# Altium PCB mantarray_beta2_sensor_arrayed.PcbDoc (part 4 of 4)
Units mil, origin at the board's own origin, x right, y up, seen from the top; angles counter-clockwise.
Board outline 13674.34 x 20798.35 mil, 2 copper layers (Layer1_Top, Layer8_BOT); 47 components, 273 nets, 1821 pads, 734 vias.
Unrouted connection lines stored in the file: 1.
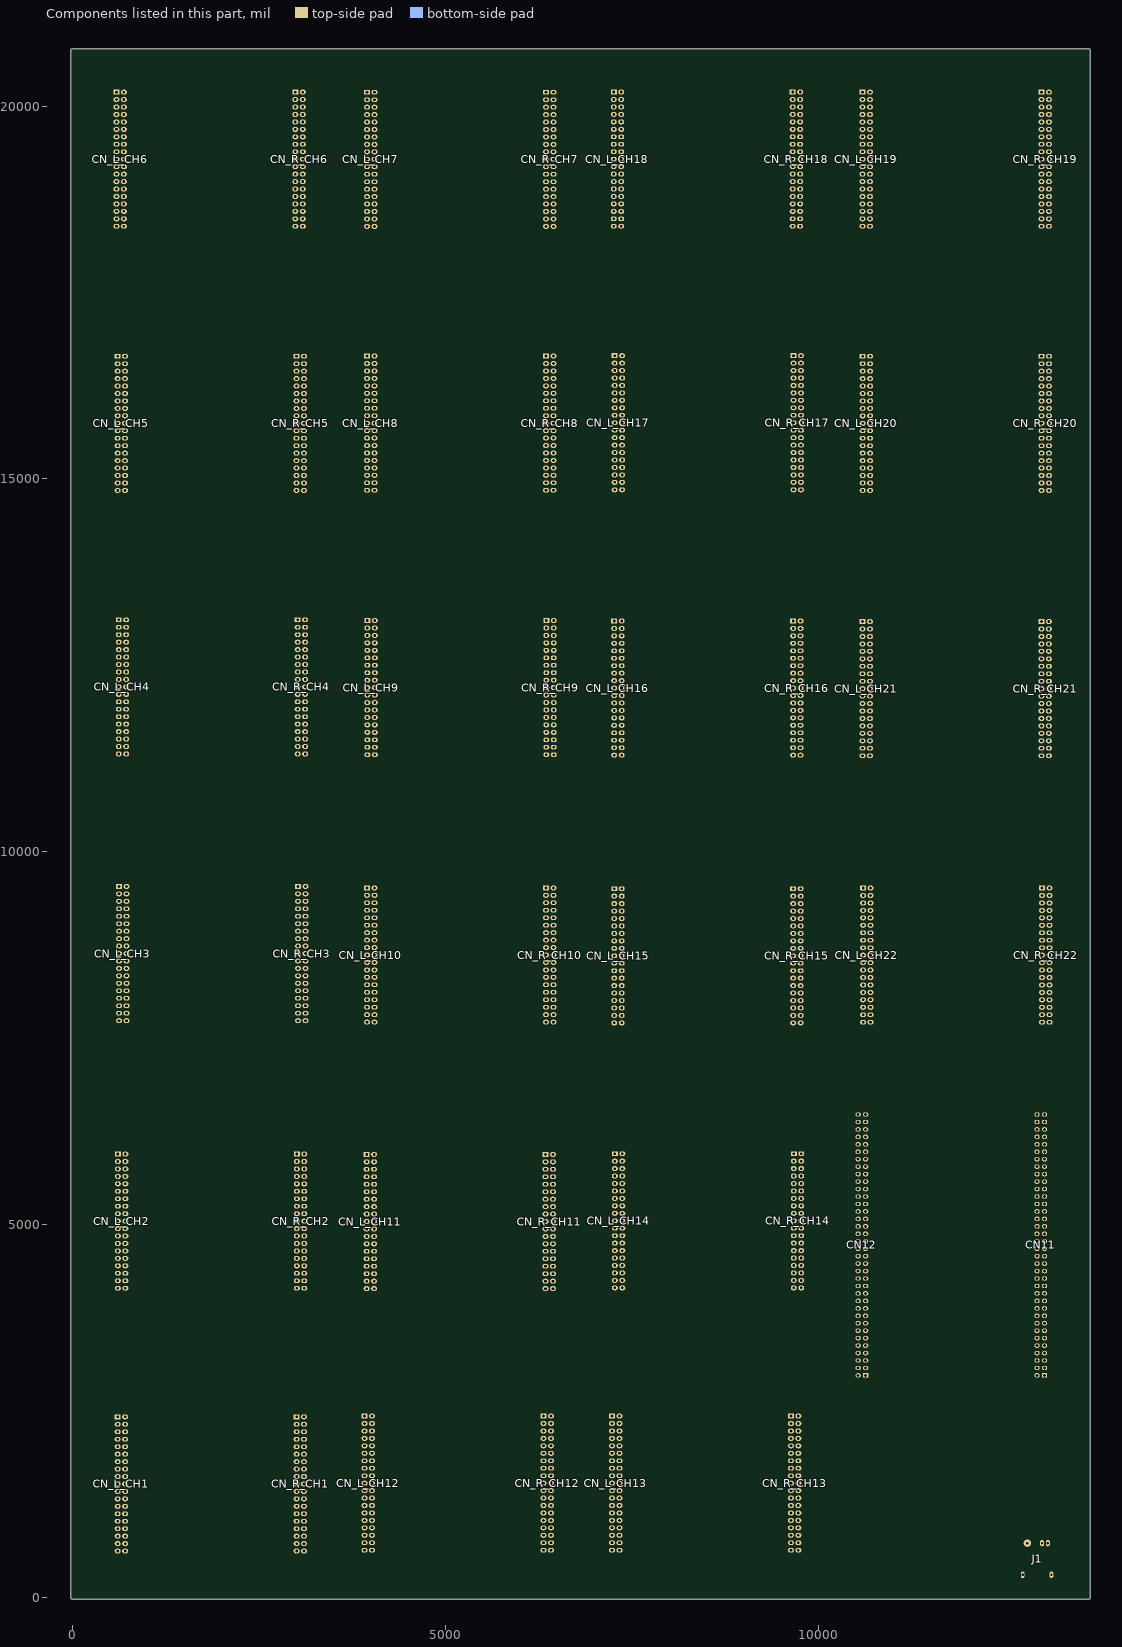
[diagram p4: the components of this part, seen from the top]

## Silkscreen, mask and mechanical layers (free items; w line width, h text height) (continued)
Mechanical 1:
  lines w47.24: 6222.44,-5.02 0,-5.02 ; -5.01,0 ccw(c0,0) 0,-5.01 ; -5.01,0 ccw(c0,0) 0,-5.01 ; -5.02,0 -5.02,5078.71 ; -5.02,0 -5.02,5078.71 ; -5.02,5078.71 -5.02,5078.77 ; -5.02,5078.71 -5.02,5078.77 ; -5.02,5078.77 -5.02,10157.48 ; -5.02,5078.77 -5.02,20746.06 13622.05,20746.06 13622.05,-5.02 0,-5.02 ; -5.02,10157.48 cw(c0,10157.48) 0,10162.5 ccw(c0,10157.48) -5.02,10157.48
Assembly Notes:
  lines w10: 0,10157.48 0,0 6222.44,0
Drill Drawing:
  lines w2: 11291.34,647.73 12461.34,647.73 ; 11291.34,686.63 12461.34,686.63 ; 11231.34,439.73 ccw(c11244.34,439.73) 11244.34,426.73 12508.34,426.73 ccw(c12508.34,439.73) 12521.34,439.73 12521.34,743.73 ccw(c12508.34,743.73) 12508.34,756.73 11244.34,756.73 ccw(c11244.34,743.73) 11231.34,743.73 11231.34,439.73
  text "Notes:" at 11285.43,929.13 h40
  text "Silkscreen color : White ink" at 11263.78,858.35 h35
  text "Solder resist color : Green" at 11263.78,798.35 h35
  text "Layer Stack Up Detail for: beta2_emulator.PcbDoc" at 11255.91,712.6 h27
  text "Layer" at 11291.34,672.13 h9
  text "Gerber" at 11542.27,672.13 h9
  text "Copper" at 11666.24,672.13 h9
  text "Dielectric" at 11804.9,672.13 h9
  text "Dielectric" at 11949.87,672.13 h9
  text "Dielectric" at 12135.82,672.13 h9
  text "Dielectric" at 12280.78,672.13 h9
  text "Name" at 11291.34,654.13 h9
  text "Document" at 11542.27,654.13 h9
  text "Thickness" at 11666.24,654.13 h9
  text "Height" at 11804.9,654.13 h9
  text "Material" at 11949.87,654.13 h9
  text "Constant" at 12135.82,654.13 h9
  text "Type" at 12280.78,654.13 h9
  text "Top Solder Mask" at 11291.34,626.11 h13
  text "(.GTS)" at 11542.27,626.11 h13
  text "0.4mil" at 11804.9,626.11 h13
  text "Solder Resist" at 11949.87,626.11 h13
  text "3.50" at 12135.82,626.11 h13
  text "Top Layer" at 11291.34,584.86 h13
  text "(.GTL)" at 11542.27,584.86 h13
  text "1.4mil" at 11666.24,584.86 h13
  text "59.055mil" at 11804.9,564.23 h13
  text "FR-4" at 11949.87,564.23 h13
  text "4.80" at 12135.82,564.23 h13
  text "Core" at 12280.78,564.23 h13
  text "Bottom Layer" at 11291.34,543.61 h13
  text "(.GBL)" at 11542.27,543.61 h13
  text "1.4mil" at 11666.24,543.61 h13
  text "Bottom Solder Mask" at 11291.34,502.36 h13
  text "(.GBS)" at 11542.27,502.36 h13
  text "0.4mil" at 11804.9,502.36 h13
  text "Solder Resist" at 11949.87,502.36 h13
  text "3.50" at 12135.82,502.36 h13

## Text inside footprints (layer, text, board x,y; h text height)
CN_L_CH1: Top Overlay "2" at 680.91,2517.8 h50 r270; Top Overlay "1" at 580.91,2517.8 h50 r270; Top Overlay "37" at 580.91,557.8 h50 r270; Top Overlay "38" at 680.91,557.8 h50 r270
CN_L_CH2: Top Overlay "2" at 683.88,6043.31 h50 r270; Top Overlay "1" at 583.88,6043.31 h50 r270; Top Overlay "37" at 583.88,4083.31 h50 r270; Top Overlay "38" at 683.88,4083.31 h50 r270
CN_L_CH3: Top Overlay "2" at 699.57,9632.91 h50 r270; Top Overlay "1" at 599.57,9632.91 h50 r270; Top Overlay "37" at 599.57,7672.91 h50 r270; Top Overlay "38" at 699.57,7672.91 h50 r270
CN_L_CH4: Top Overlay "2" at 695.14,13209.69 h50 r270; Top Overlay "1" at 595.14,13209.69 h50 r270; Top Overlay "37" at 595.14,11249.69 h50 r270; Top Overlay "38" at 695.14,11249.69 h50 r270
CN_L_CH5: Top Overlay "2" at 679.88,16745.12 h50 r270; Top Overlay "1" at 579.88,16745.12 h50 r270; Top Overlay "37" at 579.88,14785.12 h50 r270; Top Overlay "38" at 679.88,14785.12 h50 r270
CN_L_CH6: Top Overlay "2" at 664.19,20287.8 h50 r270; Top Overlay "1" at 564.19,20287.8 h50 r270; Top Overlay "37" at 564.19,18327.8 h50 r270; Top Overlay "38" at 664.19,18327.8 h50 r270
CN_L_CH7: Top Overlay "2" at 4026.34,20286.46 h50 r270; Top Overlay "1" at 3926.34,20286.46 h50 r270; Top Overlay "37" at 3926.34,18326.46 h50 r270; Top Overlay "38" at 4026.34,18326.46 h50 r270
CN_L_CH8: Top Overlay "2" at 4026.34,16747.09 h50 r270; Top Overlay "1" at 3926.34,16747.09 h50 r270; Top Overlay "37" at 3926.34,14787.09 h50 r270; Top Overlay "38" at 4026.34,14787.09 h50 r270
CN_L_CH9: Top Overlay "2" at 4030.28,13199.84 h50 r270; Top Overlay "1" at 3930.28,13199.84 h50 r270; Top Overlay "37" at 3930.28,11239.84 h50 r270; Top Overlay "38" at 4030.28,11239.84 h50 r270
CN_L_CH10: Top Overlay "2" at 4026.34,9613.23 h50 r270; Top Overlay "1" at 3926.34,9613.23 h50 r270; Top Overlay "37" at 3926.34,7653.23 h50 r270; Top Overlay "38" at 4026.34,7653.23 h50 r270
CN_L_CH11: Top Overlay "2" at 4020.43,6038.43 h50 r270; Top Overlay "1" at 3920.43,6038.43 h50 r270; Top Overlay "37" at 3920.43,4078.43 h50 r270; Top Overlay "38" at 4020.43,4078.43 h50 r270
CN_L_CH12: Top Overlay "2" at 3992.87,2528.58 h50 r270; Top Overlay "1" at 3892.87,2528.58 h50 r270; Top Overlay "37" at 3892.87,568.58 h50 r270; Top Overlay "38" at 3992.87,568.58 h50 r270
CN_L_CH13: Top Overlay "2" at 7311.77,2528.58 h50 r270; Top Overlay "1" at 7211.77,2528.58 h50 r270; Top Overlay "37" at 7211.77,568.58 h50 r270; Top Overlay "38" at 7311.77,568.58 h50 r270
CN_L_CH14: Top Overlay "2" at 7350.02,6048.03 h50 r270; Top Overlay "1" at 7250.02,6048.03 h50 r270; Top Overlay "37" at 7250.02,4088.03 h50 r270; Top Overlay "38" at 7350.02,4088.03 h50 r270
CN_L_CH15: Top Overlay "2" at 7342.15,9602.76 h50 r270; Top Overlay "1" at 7242.15,9602.76 h50 r270; Top Overlay "37" at 7242.15,7642.76 h50 r270; Top Overlay "38" at 7342.15,7642.76 h50 r270
CN_L_CH16: Top Overlay "2" at 7341.3,13193.94 h50 r270; Top Overlay "1" at 7241.3,13193.94 h50 r270; Top Overlay "37" at 7241.3,11233.94 h50 r270; Top Overlay "38" at 7341.3,11233.94 h50 r270
CN_L_CH17: Top Overlay "2" at 7347.2,16752.99 h50 r270; Top Overlay "1" at 7247.2,16752.99 h50 r270; Top Overlay "37" at 7247.2,14792.99 h50 r270; Top Overlay "38" at 7347.2,14792.99 h50 r270
CN_L_CH18: Top Overlay "2" at 7335.39,20288.43 h50 r270; Top Overlay "1" at 7235.39,20288.43 h50 r270; Top Overlay "37" at 7235.39,18328.43 h50 r270; Top Overlay "38" at 7335.39,18328.43 h50 r270
CN_L_CH19: Top Overlay "2" at 10672.46,20287.8 h50 r270; Top Overlay "1" at 10572.46,20287.8 h50 r270; Top Overlay "37" at 10572.46,18327.8 h50 r270; Top Overlay "38" at 10672.46,18327.8 h50 r270
CN_L_CH20: Top Overlay "2" at 10673.98,16745.12 h50 r270; Top Overlay "1" at 10573.98,16745.12 h50 r270; Top Overlay "37" at 10573.98,14785.12 h50 r270; Top Overlay "38" at 10673.98,14785.12 h50 r270
CN_L_CH21: Top Overlay "2" at 10672.01,13186.06 h50 r270; Top Overlay "1" at 10572.01,13186.06 h50 r270; Top Overlay "37" at 10572.01,11226.06 h50 r270; Top Overlay "38" at 10672.01,11226.06 h50 r270
CN_L_CH22: Top Overlay "2" at 10679.88,9611.26 h50 r270; Top Overlay "1" at 10579.88,9611.26 h50 r270; Top Overlay "37" at 10579.88,7651.26 h50 r270; Top Overlay "38" at 10679.88,7651.26 h50 r270
CN_R_CH1: Top Overlay "2" at 3080.91,2517.8 h50 r270; Top Overlay "1" at 2980.91,2517.8 h50 r270; Top Overlay "37" at 2980.91,557.8 h50 r270; Top Overlay "38" at 3080.91,557.8 h50 r270
CN_R_CH2: Top Overlay "2" at 3083.88,6043.31 h50 r270; Top Overlay "1" at 2983.88,6043.31 h50 r270; Top Overlay "37" at 2983.88,4083.31 h50 r270; Top Overlay "38" at 3083.88,4083.31 h50 r270
CN_R_CH3: Top Overlay "2" at 3099.57,9632.91 h50 r270; Top Overlay "1" at 2999.57,9632.91 h50 r270; Top Overlay "37" at 2999.57,7672.91 h50 r270; Top Overlay "38" at 3099.57,7672.91 h50 r270
CN_R_CH4: Top Overlay "2" at 3095.14,13209.69 h50 r270; Top Overlay "1" at 2995.14,13209.69 h50 r270; Top Overlay "37" at 2995.14,11249.69 h50 r270; Top Overlay "38" at 3095.14,11249.69 h50 r270
CN_R_CH5: Top Overlay "2" at 3079.88,16745.12 h50 r270; Top Overlay "1" at 2979.88,16745.12 h50 r270; Top Overlay "37" at 2979.88,14785.12 h50 r270; Top Overlay "38" at 3079.88,14785.12 h50 r270
CN_R_CH6: Top Overlay "2" at 3064.19,20287.8 h50 r270; Top Overlay "1" at 2964.19,20287.8 h50 r270; Top Overlay "37" at 2964.19,18327.8 h50 r270; Top Overlay "38" at 3064.19,18327.8 h50 r270
CN_R_CH7: Top Overlay "2" at 6426.34,20286.46 h50 r270; Top Overlay "1" at 6326.34,20286.46 h50 r270; Top Overlay "37" at 6326.34,18326.46 h50 r270; Top Overlay "38" at 6426.34,18326.46 h50 r270
CN_R_CH8: Top Overlay "2" at 6426.34,16747.09 h50 r270; Top Overlay "1" at 6326.34,16747.09 h50 r270; Top Overlay "37" at 6326.34,14787.09 h50 r270; Top Overlay "38" at 6426.34,14787.09 h50 r270
CN_R_CH9: Top Overlay "2" at 6430.28,13199.84 h50 r270; Top Overlay "1" at 6330.28,13199.84 h50 r270; Top Overlay "37" at 6330.28,11239.84 h50 r270; Top Overlay "38" at 6430.28,11239.84 h50 r270
CN_R_CH10: Top Overlay "2" at 6426.34,9613.23 h50 r270; Top Overlay "1" at 6326.34,9613.23 h50 r270; Top Overlay "37" at 6326.34,7653.23 h50 r270; Top Overlay "38" at 6426.34,7653.23 h50 r270
CN_R_CH11: Top Overlay "38" at 6420.43,4078.43 h50 r270; Top Overlay "37" at 6320.43,4078.43 h50 r270; Top Overlay "1" at 6320.43,6038.43 h50 r270; Top Overlay "2" at 6420.43,6038.43 h50 r270
CN_R_CH12: Top Overlay "38" at 6392.87,568.58 h50 r270; Top Overlay "37" at 6292.87,568.58 h50 r270; Top Overlay "1" at 6292.87,2528.58 h50 r270; Top Overlay "2" at 6392.87,2528.58 h50 r270
CN_R_CH13: Top Overlay "2" at 9711.77,2528.58 h50 r270; Top Overlay "1" at 9611.77,2528.58 h50 r270; Top Overlay "37" at 9611.77,568.58 h50 r270; Top Overlay "38" at 9711.77,568.58 h50 r270
CN_R_CH14: Top Overlay "2" at 9750.02,6048.03 h50 r270; Top Overlay "1" at 9650.02,6048.03 h50 r270; Top Overlay "37" at 9650.02,4088.03 h50 r270; Top Overlay "38" at 9750.02,4088.03 h50 r270
CN_R_CH15: Top Overlay "2" at 9742.15,9602.76 h50 r270; Top Overlay "1" at 9642.15,9602.76 h50 r270; Top Overlay "37" at 9642.15,7642.76 h50 r270; Top Overlay "38" at 9742.15,7642.76 h50 r270
CN_R_CH16: Top Overlay "2" at 9741.3,13193.94 h50 r270; Top Overlay "1" at 9641.3,13193.94 h50 r270; Top Overlay "37" at 9641.3,11233.94 h50 r270; Top Overlay "38" at 9741.3,11233.94 h50 r270
CN_R_CH17: Top Overlay "2" at 9747.2,16752.99 h50 r270; Top Overlay "1" at 9647.2,16752.99 h50 r270; Top Overlay "37" at 9647.2,14792.99 h50 r270; Top Overlay "38" at 9747.2,14792.99 h50 r270
CN_R_CH18: Top Overlay "2" at 9735.39,20288.43 h50 r270; Top Overlay "1" at 9635.39,20288.43 h50 r270; Top Overlay "37" at 9635.39,18328.43 h50 r270; Top Overlay "38" at 9735.39,18328.43 h50 r270
CN_R_CH19: Top Overlay "2" at 13072.46,20287.8 h50 r270; Top Overlay "1" at 12972.46,20287.8 h50 r270; Top Overlay "37" at 12972.46,18327.8 h50 r270; Top Overlay "38" at 13072.46,18327.8 h50 r270
CN_R_CH20: Top Overlay "2" at 13073.98,16745.12 h50 r270; Top Overlay "1" at 12973.98,16745.12 h50 r270; Top Overlay "37" at 12973.98,14785.12 h50 r270; Top Overlay "38" at 13073.98,14785.12 h50 r270
CN_R_CH21: Top Overlay "2" at 13072.01,13186.06 h50 r270; Top Overlay "1" at 12972.01,13186.06 h50 r270; Top Overlay "37" at 12972.01,11226.06 h50 r270; Top Overlay "38" at 13072.01,11226.06 h50 r270
CN_R_CH22: Top Overlay "2" at 13079.88,9611.26 h50 r270; Top Overlay "1" at 12979.88,9611.26 h50 r270; Top Overlay "37" at 12979.88,7651.26 h50 r270; Top Overlay "38" at 13079.88,7651.26 h50 r270